# Altium PCB Copy of Delay.PcbDoc (part 1 of 2) (continued)
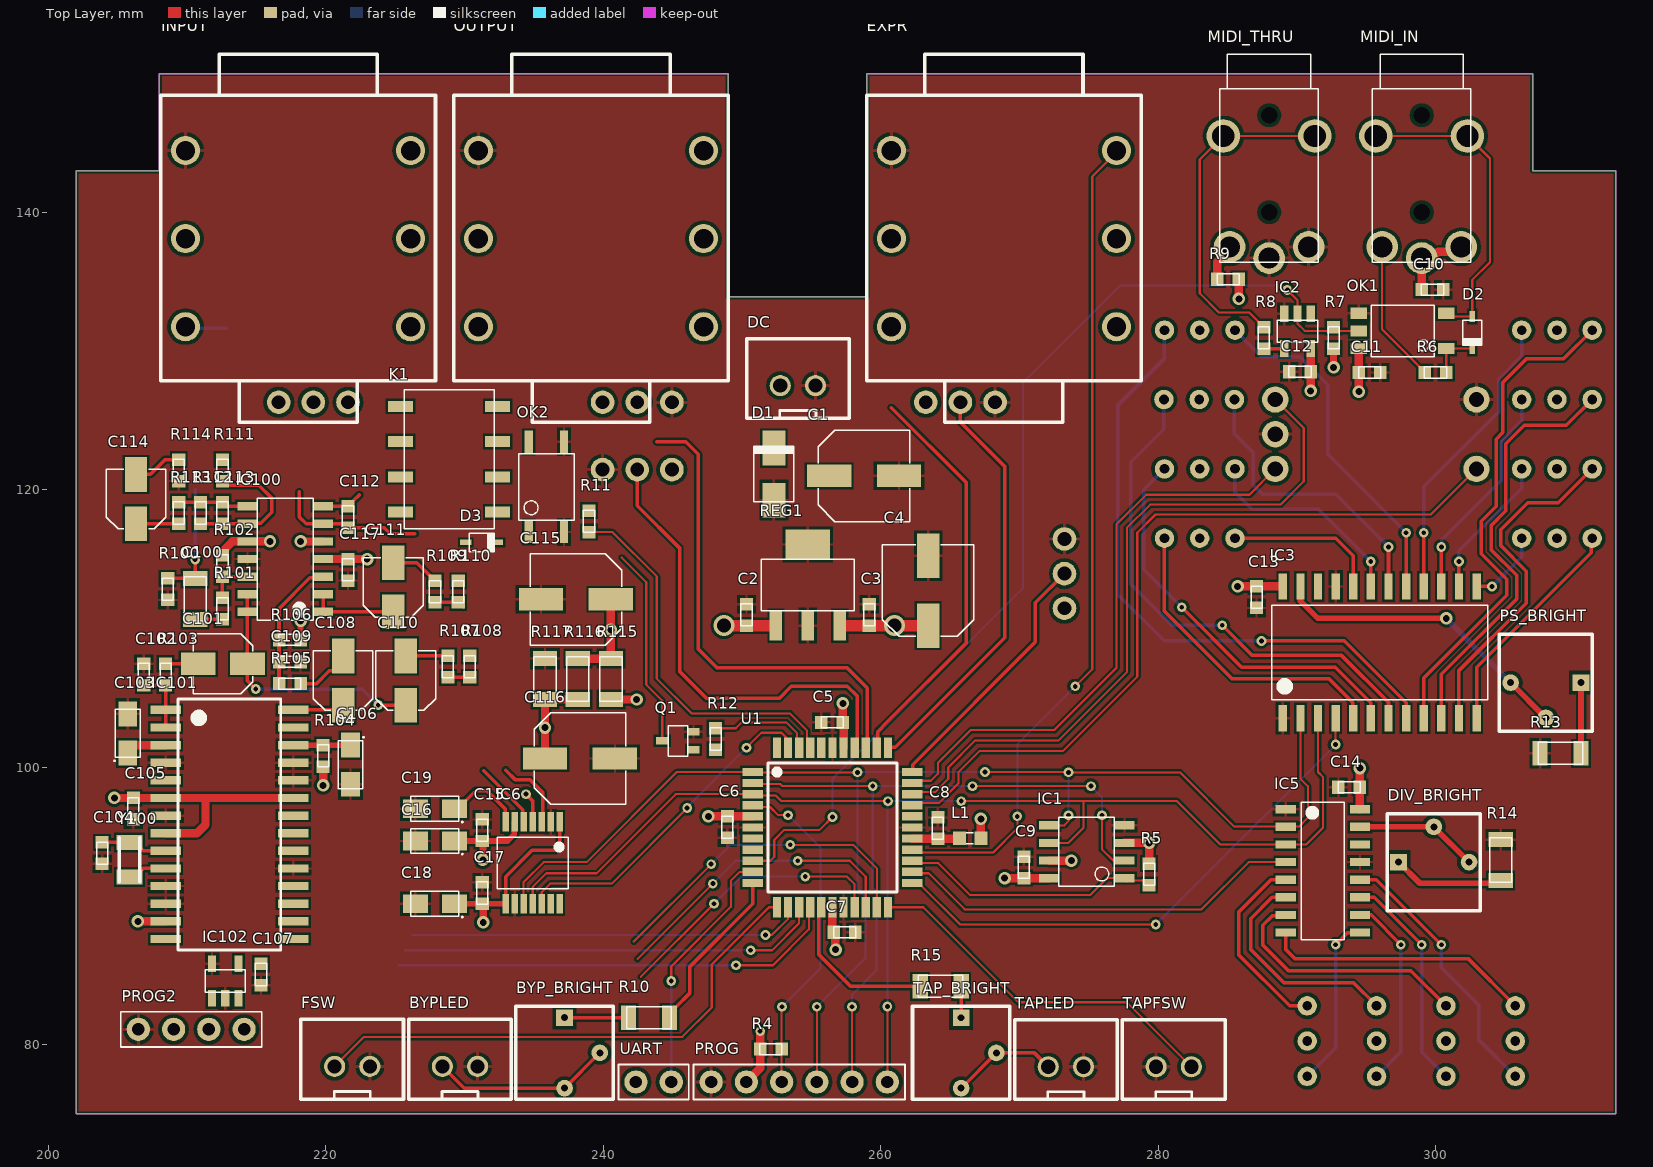
[diagram p0: Top Layer view]
## Part data (continued)
C19: library part T491A105K016AT, "CAP TANT 1UF 16V", Capacitance=1uF, Case Code (Imperial)=1206, Case Code (Metric)=3216, Dielectric Material=Tantalum, ESR (Equivalent Series Resistance)=10R, Leakage Current=500nA, Manufacturer=KEMET, Max Operating Temperature=125°C, Min Operating Temperature=-55°C, Package Quantity=1, Ripple Current=87mA, Supplier Part Number 1=1457406, Tolerance=20%, Voltage=16V, Case/Package=1206, Category="Tantalum Capacitors", ComponentLink1Description=https://datasheet.ciiva.com/7696/1732736-7696289.pdf?src-supplier=Element14, ComponentLink1URL=https://datasheet.ciiva.com/7696/1732736-7696289.pdf?src-supplier=Element14, ComponentLink2Description=https://datasheet.ciiva.com/20171/458280-da-en-01-20171909.pdf?src-supplier=Rapid+Electronics, ComponentLink2URL=https://datasheet.ciiva.com/20171/458280-da-en-01-20171909.pdf?src-supplier=Rapid+Electronics, ComponentLink3Description=https://datasheet.ciiva.com/34302/1573169-34302502.pdf?src-supplier=Jameco, ComponentLink3URL=https://datasheet.ciiva.com/34302/1573169-34302502.pdf?src-supplier=Jameco, ComponentLink4Description=https://datasheet.ciiva.com/11793/0900766b80718482-11793119.pdf?src-supplier=RSComponents, ComponentLink4URL=https://datasheet.ciiva.com/11793/0900766b80718482-11793119.pdf?src-supplier=RSComponents, ComponentLink5Description=https://datasheet.ciiva.com/5934/kem-t2005-t491-5934792.pdf?src-supplier=Farnell, ComponentLink5URL=https://datasheet.ciiva.com/5934/kem-t2005-t491-5934792.pdf?src-supplier=Farnell, ComponentLink6Description=https://datasheet.ciiva.com/12882/kem-t2005-t491-12882490.pdf?src-supplier=Mouser, ComponentLink6URL=https://datasheet.ciiva.com/12882/kem-t2005-t491-12882490.pdf?src-supplier=Mouser, ComponentLink7Description=https://datasheet.ciiva.com/32431/t491a105k016zt-eng-tds-32431595.pdf?src-supplier=Distrelec, ComponentLink7URL=https://datasheet.ciiva.com/32431/t491a105k016zt-eng-tds-32431595.pdf?src-supplier=Distrelec, ComponentLink8Description=https://datasheet.ciiva.com/257/kem-t2005-t491-257404.pdf?src-supplier=Digi-Key, ComponentLink8URL=https://datasheet.ciiva.com/257/kem-t2005-t491-257404.pdf?src-supplier=Digi-Key, ComponentLink9Description=https://datasheet.ciiva.com/257/kem-t2005-t491-257405.pdf?src-supplier=Digi-Key, ComponentLink9URL=https://datasheet.ciiva.com/257/kem-t2005-t491-257405.pdf?src-supplier=Digi-Key, ComponentLink10Description=https://datasheet.ciiva.com/7696/kem-t2005-t491-7696429.pdf?src-supplier=Element14, ComponentLink10URL=https://datasheet.ciiva.com/7696/kem-t2005-t491-7696429.pdf?src-supplier=Element14, ComponentLink11Description=https://datasheet.ciiva.com/257/kem-t2005-t491-257406.pdf?src-supplier=Digi-Key, ComponentLink11URL=https://datasheet.ciiva.com/257/kem-t2005-t491-257406.pdf?src-supplier=Digi-Key, ComponentLink12Description=https://datasheet.ciiva.com/14595/70095774-14595055.pdf?src-supplier=Allied+Electronics, ComponentLink12URL=https://datasheet.ciiva.com/14595/70095774-14595055.pdf?src-supplier=Allied+Electronics, Depth=1.6mm, Dissipation Factor=4%, Features="General Purpose", Height=1.6mm, Height - Seated (Max)=0.071inch, Lead Free="Lead Free", Length=3.2mm, Life (Hours)=2000Hour, Manufacturer Part Number=T491A105K016AT, Mount="Surface Mount,PCB", Number of Pins=2, Packaging="Tape and Reel", Polarity=Polar, Pricing="5=0.25600, 50=0.14500, 250=0.11900, 500=0.10600, 1000=0.09590 (EUR)", REACH SVHC="No SVHC", RoHS=Yes, Stock=40067, Supplier 1=Farnell, Termination=SMD/SMT, Voltage Rating=16V, Voltage Rating (DC)=16V, Width=1.6mm
C100: library part GRM31C5C1H104JA01L, "CAP CER 100NF 50V C0G/NP0 1206", Capacitance=100nF, Case Code (Imperial)=1206, Case Code (Metric)=3216, Dielectric=C0G, Manufacturer=Murata, Max Operating Temperature=125°C, Min Operating Temperature=-55°C, Package Quantity=1, Supplier Part Number 1=2494294, Temperature Coefficient=30ppm/°C, Tolerance=5%, Voltage=50V, Case/Package=1206, ComponentLink1Description=https://datasheet.ciiva.com/11618/product-11618880.pdf?src-supplier=Avnet, ComponentLink1URL=https://datasheet.ciiva.com/11618/product-11618880.pdf?src-supplier=Avnet, ComponentLink2Description=https://datasheet.ciiva.com/29200/453430-da-01-en-vs-kondensator-1206-29200201.pdf?src-supplier=Conrad, ComponentLink2URL=https://datasheet.ciiva.com/29200/453430-da-01-en-vs-kondensator-1206-29200201.pdf?src-supplier=Conrad, ComponentLink3Description=https://datasheet.ciiva.com/5420/product-5420070.pdf?src-supplier=Mouser, ComponentLink3URL=https://datasheet.ciiva.com/5420/product-5420070.pdf?src-supplier=Mouser, ComponentLink4Description=https://datasheet.ciiva.com/16461/product-16461275.pdf?src-supplier=Future+Electronics, ComponentLink4URL=https://datasheet.ciiva.com/16461/product-16461275.pdf?src-supplier=Future+Electronics, ComponentLink5Description=https://datasheet.ciiva.com/6270/partnumbering-e-01-6270255.pdf?src-supplier=Digi-Key, ComponentLink5URL=https://datasheet.ciiva.com/6270/partnumbering-e-01-6270255.pdf?src-supplier=Digi-Key, Depth=1.6mm, Height=1.6mm, Lead Free="Lead Free", Length=3.2mm, Manufacturer Part Number=GRM31C5C1H104JA01L, Material=Ceramic, Mount="Surface Mount", Packaging="Tape and Reel", Price=0.31, Pricing 1="5 = 0.62500, 50 = 0.31000, 250 = 0.29700, 500 = 0.22200, 1000 = 0.18900 (EUR)", Radiation Hardening=No, REACH SVHC="No SVHC", RoHS=Yes, Stock 1=206865, Supplier 1=Farnell, Termination=SMD/SMT, Thickness=0.071inch, Voltage Rating=50V, Voltage Rating (DC)=50V, Weight=0.000571oz, Width=0.063inch
C101 C108 C110 C111 C114: library part EEEFC1H1R0R, "CAP ALUM 1UF 50V LESR SMD", Capacitance=1uF, Case/Package=Radial, Dielectric Material=Aluminium, ESR (Equivalent Series Resistance)=5R, Leakage Current=3uA, Manufacturer=Panasonic, Max Operating Temperature=105°C, Min Operating Temperature=-40°C, Package Quantity=2000, Ripple Current=30mA, Supplier Part Number 1=9694528, Tolerance=20%, Voltage=50V, ComponentLink1Description=https://datasheet.ciiva.com/11779/0900766b806bc525-11779769.pdf?src-supplier=RSComponents, ComponentLink1URL=https://datasheet.ciiva.com/11779/0900766b806bc525-11779769.pdf?src-supplier=RSComponents, ComponentLink2Description=https://datasheet.ciiva.com/29313/443524-da-01-en-smd-elko-vfc-b-1-0-uf-50v-29313787.pdf?src-supplier=Conrad, ComponentLink2URL=https://datasheet.ciiva.com/29313/443524-da-01-en-smd-elko-vfc-b-1-0-uf-50v-29313787.pdf?src-supplier=Conrad, ComponentLink3Description=https://datasheet.ciiva.com/10331/aba0000ce5-10331045.pdf?src-supplier=Avnet, ComponentLink3URL=https://datasheet.ciiva.com/10331/aba0000ce5-10331045.pdf?src-supplier=Avnet, ComponentLink4Description=https://datasheet.ciiva.com/43485/31718-43485413.pdf?src-supplier=Farnell, ComponentLink4URL=https://datasheet.ciiva.com/43485/31718-43485413.pdf?src-supplier=Farnell, ComponentLink5Description=https://datasheet.ciiva.com/17353/aba0000ce5-17353382.pdf?src-supplier=Avnet+Europe, ComponentLink5URL=https://datasheet.ciiva.com/17353/aba0000ce5-17353382.pdf?src-supplier=Avnet+Europe, ComponentLink6Description=https://datasheet.ciiva.com/24024/aba0000ce5-68492-24024840.pdf?src-supplier=Mouser, ComponentLink6URL=https://datasheet.ciiva.com/24024/aba0000ce5-68492-24024840.pdf?src-supplier=Mouser, ComponentLink7Description=https://datasheet.ciiva.com/48542/eeefc-series-eng-tds-48542747.pdf?src-supplier=Distrelec, ComponentLink7URL=https://datasheet.ciiva.com/48542/eeefc-series-eng-tds-48542747.pdf?src-supplier=Distrelec, ComponentLink8Description=https://datasheet.ciiva.com/30181/aba0000ce5-30181516.pdf?src-supplier=Onlinecomponents.com, ComponentLink8URL=https://datasheet.ciiva.com/30181/aba0000ce5-30181516.pdf?src-supplier=Onlinecomponents.com, ComponentLink9Description=https://datasheet.ciiva.com/14596/70068018-14596941.pdf?src-supplier=Allied+Electronics, ComponentLink9URL=https://datasheet.ciiva.com/14596/70068018-14596941.pdf?src-supplier=Allied+Electronics, ComponentLink10Description=https://datasheet.ciiva.com/46388/31718-46388238.pdf?src-supplier=Element14, ComponentLink10URL=https://datasheet.ciiva.com/46388/31718-46388238.pdf?src-supplier=Element14, ComponentLink11Description=https://datasheet.ciiva.com/14606/70256381-14606527.pdf?src-supplier=Allied+Electronics, ComponentLink11URL=https://datasheet.ciiva.com/14606/70256381-14606527.pdf?src-supplier=Allied+Electronics, Contact Plating=Tin, Diameter=4mm, Height=5.4mm, Height - Seated (Max)=0.213inch, Impedance=5R, Lead Free="Lead Free", Lead Length=1.8mm, Lead Pitch=1mm, Length=5.5mm, Life (Hours)=1000Hour, Manufacturer Part Number=EEEFC1H1R0R, Material=Aluminium, Mount="Surface Mount", Number of Pins=2, Packaging="Tape and Reel", Price=0.151, Pricing 1="5 = 0.29200, 50 = 0.15100, 250 = 0.12600, 500 = 0.09460, 1000 = 0.07990 (EUR)", Radiation Hardening=No, REACH SVHC="No SVHC", Ripple Current (AC)=30mA, RoHS=Yes, Stock 1=3801, Supplier 1=Farnell, Termination=SMD/SMT, Voltage Rating=50V, Voltage Rating (DC)=50V, Width=4.3mm
C102 C109: library part GRM1885C1H222JA01D, "CAP CER 2.2NF 50V C0G/NP0 0603", Capacitance=2.2nF, Case Code (Imperial)=0603, Case Code (Metric)=1608, Dielectric=C0G, Dielectric Material=Ceramic, Insulation Resistance=10GR, Manufacturer=Murata, Max Operating Temperature=125°C, Min Operating Temperature=-55°C, Package Quantity=1, Supplier Part Number 1=8819947, Temperature Coefficient=30ppm/°C, Tolerance=5%, Voltage=50V, Case/Package=0603, ComponentLink1Description=https://datasheet.ciiva.com/11786/0900766b807a1cab-11786840.pdf?src-supplier=RSComponents, ComponentLink1URL=https://datasheet.ciiva.com/11786/0900766b807a1cab-11786840.pdf?src-supplier=RSComponents, ComponentLink2Description=https://datasheet.ciiva.com/3777/1632grm1885c1h222ja0123-3777835.pdf?src-supplier=Arrow, ComponentLink2URL=https://datasheet.ciiva.com/3777/1632grm1885c1h222ja0123-3777835.pdf?src-supplier=Arrow, ComponentLink3Description=https://datasheet.ciiva.com/2989/product-2989459.pdf?src-supplier=Avnet, ComponentLink3URL=https://datasheet.ciiva.com/2989/product-2989459.pdf?src-supplier=Avnet, ComponentLink4Description=https://datasheet.ciiva.com/6031/4360-6031797.pdf?src-supplier=Farnell, ComponentLink4URL=https://datasheet.ciiva.com/6031/4360-6031797.pdf?src-supplier=Farnell, ComponentLink5Description=https://datasheet.ciiva.com/7828/4360-7828918.pdf?src-supplier=Element14, ComponentLink5URL=https://datasheet.ciiva.com/7828/4360-7828918.pdf?src-supplier=Element14, ComponentLink6Description=https://datasheet.ciiva.com/11463/product-11463974.pdf?src-supplier=Avnet, ComponentLink6URL=https://datasheet.ciiva.com/11463/product-11463974.pdf?src-supplier=Avnet, ComponentLink7Description=https://datasheet.ciiva.com/16624/product-16624150.pdf?src-supplier=Avnet+Europe, ComponentLink7URL=https://datasheet.ciiva.com/16624/product-16624150.pdf?src-supplier=Avnet+Europe, ComponentLink8Description=https://datasheet.ciiva.com/7828/1747455-7828919.pdf?src-supplier=Element14, ComponentLink8URL=https://datasheet.ciiva.com/7828/1747455-7828919.pdf?src-supplier=Element14, ComponentLink9Description=https://datasheet.ciiva.com/133/partnumbering-e-01-133576.pdf?src-supplier=Digi-Key, ComponentLink9URL=https://datasheet.ciiva.com/133/partnumbering-e-01-133576.pdf?src-supplier=Digi-Key, ComponentLink10Description=https://datasheet.ciiva.com/7828/1747455-7828920.pdf?src-supplier=Element14, ComponentLink10URL=https://datasheet.ciiva.com/7828/1747455-7828920.pdf?src-supplier=Element14, ComponentLink11Description=https://datasheet.ciiva.com/133/partnumbering-e-01-133577.pdf?src-supplier=Digi-Key, ComponentLink11URL=https://datasheet.ciiva.com/133/partnumbering-e-01-133577.pdf?src-supplier=Digi-Key, ComponentLink12Description=https://datasheet.ciiva.com/133/partnumbering-e-01-133578.pdf?src-supplier=Digi-Key, ComponentLink12URL=https://datasheet.ciiva.com/133/partnumbering-e-01-133578.pdf?src-supplier=Digi-Key, ComponentLink13Description=https://datasheet.ciiva.com/29241/450664-da-01-en-vs-kondensator-0603-29241770.pdf?src-supplier=Conrad, ComponentLink13URL=https://datasheet.ciiva.com/29241/450664-da-01-en-vs-kondensator-0603-29241770.pdf?src-supplier=Conrad, Depth=0.8mm, Height=0.8mm, Lead Free="Lead Free", Length=1.6mm, Manufacturer Part Number=GRM1885C1H222JA01D, Material=Ceramic, Mount="Surface Mount", Number of Pins=2, Packaging="Tape and Reel", Price=0.0217, Pricing 1="10 = 0.11000, 100 = 0.05180, 500 = 0.04100, 1000 = 0.03510, 2000 = 0.03080 (EUR)", Radiation Hardening=No, REACH SVHC="No SVHC", RoHS=Yes, Stock 1=81117, Supplier 1=Farnell, Termination=SMD/SMT, Thickness=0.035inch, Voltage Rating=50V, Voltage Rating (DC)=50V, Width=0.8mm
C104: library part MC0603N150J500CT, "CAP CER 15PF 50V C0G/NP0 0603", Capacitance=15pF, Case Code (Imperial)=0603, Case Code (Metric)=1608, Dielectric=C0G, Manufacturer=Multicomp, Max Operating Temperature=125°C, Min Operating Temperature=-55°C, Supplier Part Number 1=1759055, Temperature Coefficient=30ppm/°C, Tolerance=5%, Voltage Rating=50V, Case/Package=0603, Category="Ceramic Capacitors", ComponentLink1Description=https://datasheet.ciiva.com/22675/1901289-22675815.pdf?src-supplier=Element14, ComponentLink1URL=https://datasheet.ciiva.com/22675/1901289-22675815.pdf?src-supplier=Element14, ComponentLink2Description=https://datasheet.ciiva.com/22675/1901289-22675816.pdf?src-supplier=Element14, ComponentLink2URL=https://datasheet.ciiva.com/22675/1901289-22675816.pdf?src-supplier=Element14, ComponentLink3Description=https://datasheet.ciiva.com/22648/1901289-22648477.pdf?src-supplier=Element14, ComponentLink3URL=https://datasheet.ciiva.com/22648/1901289-22648477.pdf?src-supplier=Element14, Manufacturer Part Number=MC0603N150J500CT, Number of Pins=2, Packaging="Tape and Reel", Pricing="10=0.04660, 100=0.03490, 500=0.02000, 1000=0.01400, 2000=0.01240 (EUR)", REACH SVHC=Unknown, RoHS=Yes, Stock=62089, Supplier 1=Farnell, Voltage Rating (DC)=50V, Width=0.8mm
C112: library part MC0603N221J500CT, "CAP CER 220PF 50V C0G/NP0 0603", Capacitance=220pF, Case Code (Imperial)=0603, Case Code (Metric)=1608, Dielectric=C0G, Manufacturer=Multicomp, Max Operating Temperature=125°C, Min Operating Temperature=-55°C, Supplier Part Number 1=1759071, Tolerance=5%, Voltage Rating=50V, Case/Package=0603, ComponentLink1Description=https://datasheet.ciiva.com/22648/1901289-22648489.pdf?src-supplier=Element14, ComponentLink1URL=https://datasheet.ciiva.com/22648/1901289-22648489.pdf?src-supplier=Element14, ComponentLink2Description=https://datasheet.ciiva.com/22675/1901289-22675354.pdf?src-supplier=Element14, ComponentLink2URL=https://datasheet.ciiva.com/22675/1901289-22675354.pdf?src-supplier=Element14, ComponentLink3Description=https://datasheet.ciiva.com/22675/1901289-22675355.pdf?src-supplier=Element14, ComponentLink3URL=https://datasheet.ciiva.com/22675/1901289-22675355.pdf?src-supplier=Element14, Manufacturer Part Number=MC0603N221J500CT, Number of Pins=2, Packaging="Cut Tape", Price=0.0192, Pricing="10=0.027, 100=0.0219, 500=0.0135, 1000=0.0107, 2000=0.0098 (EUR)", REACH SVHC=Unknown, RoHS=Yes, Stock=17812, Supplier 1=Farnell, Voltage Rating (DC)=50V
C113: library part MC0603N471J500CT, "CAP CER 470PF 50V C0G/NP0 0603", Capacitance=470pF, Case Code (Imperial)=0603, Case Code (Metric)=1608, Dielectric=C0G, Manufacturer=Multicomp, Max Operating Temperature=125°C, Min Operating Temperature=-55°C, Supplier Part Number 1=1759080, Temperature Coefficient=30ppm/°C, Tolerance=5%, Voltage Rating=50V, Case/Package=0603, ComponentLink1Description=https://datasheet.ciiva.com/22648/1901289-22648504.pdf?src-supplier=Element14, ComponentLink1URL=https://datasheet.ciiva.com/22648/1901289-22648504.pdf?src-supplier=Element14, ComponentLink2Description=https://datasheet.ciiva.com/22675/1901289-22675320.pdf?src-supplier=Element14, ComponentLink2URL=https://datasheet.ciiva.com/22675/1901289-22675320.pdf?src-supplier=Element14, ComponentLink3Description=https://datasheet.ciiva.com/22648/1901289-22648505.pdf?src-supplier=Element14, ComponentLink3URL=https://datasheet.ciiva.com/22648/1901289-22648505.pdf?src-supplier=Element14, Manufacturer Part Number=MC0603N471J500CT, Number of Pins=2, Packaging="Cut Tape", Price=0.035, Pricing="10=0.0522, 100=0.0354, 500=0.0206, 1000=0.0189, 2000=0.0171 (EUR)", REACH SVHC=Unknown, RoHS=Yes, Stock=33267, Supplier 1=Farnell, Voltage Rating (DC)=50V, Width=0.8mm
C116: library part MCVVT025M470EA1L, "CAP ALUM 47UF 25V SMD", Capacitance=47uF, Manufacturer=Multicomp, Max Operating Temperature=105°C, Min Operating Temperature=-55°C, Ripple Current (AC)=6.3mA, Supplier Part Number 1=2611377, Voltage Rating=25V, ComponentLink1Description=http://www.farnell.com/datasheets/2151198.pdf?src-supplier=Farnell, ComponentLink1URL=http://www.farnell.com/datasheets/2151198.pdf?src-supplier=Farnell, ComponentLink2Description=http://www.farnell.com/datasheets/2151198.pdf?src-supplier=Element14, ComponentLink2URL=http://www.farnell.com/datasheets/2151198.pdf?src-supplier=Element14, Diameter=6.3mm, Height=5.4mm, Life (Hours)=2000Hour, Manufacturer Part Number=MCVVT025M470EA1L, Packaging="Cut Tape", Price=0.0825, Pricing="1=0.125, 50=0.0825, 100=0.0741, 250=0.0637, 500=0.0542 (EUR)", REACH SVHC="No SVHC", RoHS=No, Stock=1436, Supplier 1=Farnell, Voltage Rating (DC)=25V
D0_4 D0_8 D1_5 D1_9 D2_6 D2_10 D3_7 D3_11 D4_12 D5_13 D6_14 D7_15: library part D_BICOLOR_LED, "BICOLOR LED"
D1: "DIODE GEN PURP 50V 1A SMA", Average Rectified Current=1A, Capacitance=12pF, Case/Package=SMA, Forward Voltage=1.1V, Manufacturer="ON Semiconductor / Fairchild", Max Forward Surge Current (Ifsm)=30A, Max Operating Temperature=150°C, Max Repetitive Reverse Voltage (Vrrm)=50V, Max Surge Current=40A, Min Operating Temperature=-55°C, Package Quantity=1, Peak Reverse Current=1uA, Power Dissipation=1.4W, Supplier Part Number 1=9843868, ComponentLink1Description=https://datasheet.ciiva.com/910/s1a-910480.pdf?src-supplier=Avnet, ComponentLink1URL=https://datasheet.ciiva.com/910/s1a-910480.pdf?src-supplier=Avnet, ComponentLink2Description=https://datasheet.ciiva.com/23683/1730038-23683616.pdf?src-supplier=Newark, ComponentLink2URL=https://datasheet.ciiva.com/23683/1730038-23683616.pdf?src-supplier=Newark, ComponentLink3Description=https://datasheet.ciiva.com/4452/s1a-191336-4452662.pdf?src-supplier=Mouser, ComponentLink3URL=https://datasheet.ciiva.com/4452/s1a-191336-4452662.pdf?src-supplier=Mouser, ComponentLink4Description=https://datasheet.ciiva.com/25624/0900766b80f9b629-25624903.pdf?src-supplier=RSComponents, ComponentLink4URL=https://datasheet.ciiva.com/25624/0900766b80f9b629-25624903.pdf?src-supplier=RSComponents, ComponentLink5Description=https://datasheet.ciiva.com/916/s1a-916898.pdf?src-supplier=Digi-Key, ComponentLink5URL=https://datasheet.ciiva.com/916/s1a-916898.pdf?src-supplier=Digi-Key, ComponentLink6Description=https://datasheet.ciiva.com/916/s1a-916899.pdf?src-supplier=Digi-Key, ComponentLink6URL=https://datasheet.ciiva.com/916/s1a-916899.pdf?src-supplier=Digi-Key, ComponentLink7Description=https://datasheet.ciiva.com/916/s1a-916900.pdf?src-supplier=Digi-Key, ComponentLink7URL=https://datasheet.ciiva.com/916/s1a-916900.pdf?src-supplier=Digi-Key, ComponentLink8Description=https://datasheet.ciiva.com/16800/s1a-16800103.pdf?src-supplier=Future+Electronics, ComponentLink8URL=https://datasheet.ciiva.com/16800/s1a-16800103.pdf?src-supplier=Future+Electronics, ComponentLink9Description=https://datasheet.ciiva.com/28469/1766308-28469031.pdf?src-supplier=Element14, ComponentLink9URL=https://datasheet.ciiva.com/28469/1766308-28469031.pdf?src-supplier=Element14, ComponentLink10Description=https://datasheet.ciiva.com/26231/s1k-26231832.pdf?src-supplier=Avnet+Europe, ComponentLink10URL=https://datasheet.ciiva.com/26231/s1k-26231832.pdf?src-supplier=Avnet+Europe, ComponentLink11Description=https://datasheet.ciiva.com/16474/s1k-16474283.pdf?src-supplier=Avnet+Asia, ComponentLink11URL=https://datasheet.ciiva.com/16474/s1k-16474283.pdf?src-supplier=Avnet+Asia, Contact Plating=Tin, Current Rating=1A, Element Configuration=Single, Forward Current=1A, Lead Free="Lead Free", Manufacturer Part Number=S1A, Max Reverse Voltage (DC)=50V, Mount="Surface Mount", Number of Pins=2, Output Current=1A, Packaging="Tape and Reel", Peak Non-Repetitive Surge Current=30A, Polarity=Standard, Price=0.072, Pricing="5=0.184, 25=0.179, 100=0.0727, 250=0.0669, 500=0.0667, 1000=0.0364, 5000=0.0293 (EUR)", Radiation Hardening=No, REACH SVHC="No SVHC", Recovery Time=1800ns, Reverse Recovery Time=1.8us, Reverse Voltage=50V, RoHS=Yes, Stock=34555, Supplier 1=Farnell, Voltage Rating (DC)=50V, Weight=0.106g, Width=5.28mm
D2 D3: "DIODE GEN PURP 75V 150MA SOD323F", Average Rectified Current=150mA, Forward Voltage=1V, Manufacturer="ON Semiconductor / Fairchild", Max Forward Surge Current (Ifsm)=2A, Max Operating Temperature=150°C, Max Repetitive Reverse Voltage (Vrrm)=75V, Min Operating Temperature=-55°C, Package Quantity=1, Peak Reverse Current=5uA, Power Dissipation=200mW, Supplier Part Number 1=2453269, ComponentLink1Description=https://datasheet.ciiva.com/25968/1n914bws-25968945.pdf?src-supplier=Avnet+Europe, ComponentLink1URL=https://datasheet.ciiva.com/25968/1n914bws-25968945.pdf?src-supplier=Avnet+Europe, ComponentLink2Description=https://datasheet.ciiva.com/30479/0900766b810e1cd3-30479206.pdf?src-supplier=RSComponents, ComponentLink2URL=https://datasheet.ciiva.com/30479/0900766b810e1cd3-30479206.pdf?src-supplier=RSComponents, ComponentLink3Description=https://datasheet.ciiva.com/15208/getdatasheetpartid-127819-15208358.pdf?src-supplier=Verical, ComponentLink3URL=https://datasheet.ciiva.com/15208/getdatasheetpartid-127819-15208358.pdf?src-supplier=Verical, ComponentLink4Description=https://datasheet.ciiva.com/8300/1n914bws-8300360.pdf?src-supplier=Avnet, ComponentLink4URL=https://datasheet.ciiva.com/8300/1n914bws-8300360.pdf?src-supplier=Avnet, ComponentLink5Description=https://datasheet.ciiva.com/910/1n4148ws-910380.pdf?src-supplier=Digi-Key, ComponentLink5URL=https://datasheet.ciiva.com/910/1n4148ws-910380.pdf?src-supplier=Digi-Key, ComponentLink6Description=https://datasheet.ciiva.com/910/1n4148ws-910381.pdf?src-supplier=Digi-Key, ComponentLink6URL=https://datasheet.ciiva.com/910/1n4148ws-910381.pdf?src-supplier=Digi-Key, ComponentLink7Description=https://datasheet.ciiva.com/910/1n4148ws-910382.pdf?src-supplier=Digi-Key, ComponentLink7URL=https://datasheet.ciiva.com/910/1n4148ws-910382.pdf?src-supplier=Digi-Key, Contact Plating=Tin, Element Configuration=Single, Forward Current=150mA, Height=1mm, Lead Free="Lead Free", Length=1.8mm, Manufacturer Part Number=1N4148WS, Max Reverse Voltage (DC)=75V, Mount="Surface Mount", Number of Pins=2, Packaging="Tape and Reel", Price=0.0521, Pricing="5=0.155, 25=0.151, 100=0.0529, 250=0.0498, 500=0.0477, 1000=0.0243, 5000=0.0193 (EUR)", Radiation Hardening=No, REACH SVHC="No SVHC", Recovery Time=4ns, Reverse Recovery Time=4ns, Reverse Voltage=75V, RoHS=Yes, Stock=379338, Supplier 1=Farnell, Weight=0.0276g, Width=1.35mm
DC: "2 Pins male XH header", Price=0.1
EXPR INPUT OUTPUT: "6.35mm stereo insulated socket jack PCB mounted", Price=0.5
IC1: library part M95256-WMN6P, "IC EEPROM 256K SPI 20MHZ 8SO", Case/Package=SOIC, Frequency=5MHz, Manufacturer=STMicroelectronics, Max Operating Temperature=85°C, Max Supply Voltage=5.5V, Min Operating Temperature=-40°C, Min Supply Voltage=2.5V, Nominal Supply Current=5mA, Package Quantity=100, Supplier Part Number 1=1099712, Access Time=60ns, Category=EEPROM, ComponentLink1Description=https://datasheet.ciiva.com/4859/cd00103810-224498-4859620.pdf?src-supplier=Mouser, ComponentLink1URL=https://datasheet.ciiva.com/4859/cd00103810-224498-4859620.pdf?src-supplier=Mouser, ComponentLink2Description=https://datasheet.ciiva.com/15123/getdatasheetpartid-42741-15123093.pdf?src-supplier=Verical, ComponentLink2URL=https://datasheet.ciiva.com/15123/getdatasheetpartid-42741-15123093.pdf?src-supplier=Verical, ComponentLink3Description=https://datasheet.ciiva.com/14163/m95256-w-eng-tds-14163003.pdf?src-supplier=Distrelec, ComponentLink3URL=https://datasheet.ciiva.com/14163/m95256-w-eng-tds-14163003.pdf?src-supplier=Distrelec, ComponentLink4Description=https://datasheet.ciiva.com/1905/cd00103810-1905381.pdf?src-supplier=Digi-Key, ComponentLink4URL=https://datasheet.ciiva.com/1905/cd00103810-1905381.pdf?src-supplier=Digi-Key, ComponentLink5Description=https://datasheet.ciiva.com/8055/1723939-8055206.pdf?src-supplier=Element14, ComponentLink5URL=https://datasheet.ciiva.com/8055/1723939-8055206.pdf?src-supplier=Element14, ComponentLink6Description=https://datasheet.ciiva.com/16622/cd00103810-16622983.pdf?src-supplier=Avnet+Europe, ComponentLink6URL=https://datasheet.ciiva.com/16622/cd00103810-16622983.pdf?src-supplier=Avnet+Europe, ComponentLink7Description=https://datasheet.ciiva.com/41455/001185592-da-01-en-ic-eepr-256kbit-m95256-wmn6p-soic-8-stm-41455210.pdf?src-supplier=Conrad, ComponentLink7URL=https://datasheet.ciiva.com/41455/001185592-da-01-en-ic-eepr-256kbit-m95256-wmn6p-soic-8-stm-41455210.pdf?src-supplier=Conrad, Contact Plating=Gold, Density=256Kb, Height=1.5mm, Interface=SPI,Serial, Lead Free="Lead Free", Length=5mm, Manufacturer Part Number=M95256-WMN6P, Max Frequency=5MHz, Memory Size=256Kb, Memory Type=EEPROM, Mount="Surface Mount", Number of Pins=8, Packaging=Rail/Tube, Pricing="1=0.63300, 50=0.55300, 100=0.49000, 250=0.48700, 500=0.48300, 1000=0.46600, 2500=0.38800, 5000=0.37200 (EUR)", Radiation Hardening=No, REACH SVHC="No SVHC", RoHS=Yes, Stock=4109, Supplier 1=Farnell, Width=4mm
IC2: library part SN74LVC1G17QDBVRQ1, "Schmitt Trigger Buffer 1-CH Non-Inverting CMOS Automotive 5-Pin SOT-23 T/R", Case/Package=SOT-23-5, High Level Output Current=-32mA, Low Level Output Current=32mA, Manufacturer="Texas Instruments", Max Operating Temperature=125°C, Max Supply Voltage=5.5V, Min Operating Temperature=-40°C, Min Supply Voltage=1.65V, Package Quantity=3000, Quiescent Current=20uA, Supplier Part Number 1=2463773, Category="Logic Gates", ComponentLink1Description=https://datasheet.ciiva.com/26220/sn74lvc1g17-q1-26220672.pdf?src-supplier=Avnet+Europe, ComponentLink1URL=https://datasheet.ciiva.com/26220/sn74lvc1g17-q1-26220672.pdf?src-supplier=Avnet+Europe, ComponentLink2Description=https://datasheet.ciiva.com/6623/sn74lvc1g17-q1-6623803.pdf?src-supplier=Digi-Key, ComponentLink2URL=https://datasheet.ciiva.com/6623/sn74lvc1g17-q1-6623803.pdf?src-supplier=Digi-Key, ComponentLink3Description=https://datasheet.ciiva.com/6623/sn74lvc1g17-q1-6623805.pdf?src-supplier=Digi-Key, ComponentLink3URL=https://datasheet.ciiva.com/6623/sn74lvc1g17-q1-6623805.pdf?src-supplier=Digi-Key, ComponentLink4Description=https://datasheet.ciiva.com/14318/sces663a-14318069.pdf?src-supplier=Avnet, ComponentLink4URL=https://datasheet.ciiva.com/14318/sces663a-14318069.pdf?src-supplier=Avnet, ComponentLink5Description=https://datasheet.ciiva.com/46442/1840260-46442070.pdf?src-supplier=Element14, ComponentLink5URL=https://datasheet.ciiva.com/46442/1840260-46442070.pdf?src-supplier=Element14, ComponentLink6Description=https://datasheet.ciiva.com/6623/sn74lvc1g17-q1-6623804.pdf?src-supplier=Digi-Key, ComponentLink6URL=https://datasheet.ciiva.com/6623/sn74lvc1g17-q1-6623804.pdf?src-supplier=Digi-Key, Lead Free="Lead Free", Logic Function="Schmitt Trigger,Buffer", Manufacturer Part Number=SN74LVC1G17QDBVRQ1, Mount="Surface Mount", Number of Bits=1, Number of Bits per Element=1, Number of Channels=1, Number of Elements=1, Number of Input Lines=1, Number of Inputs=1, Number of Output Lines=1, Number of Outputs=1, Number of Pins=5, Packaging="Tape and Reel", Polarity=Non-Inverting, Pricing="5=0.23100, 50=0.17800, 100=0.12400, 250=0.10900, 500=0.09450, 1000=0.07980, 5000=0.07410 (EUR)", Propagation Delay=8ns, Radiation Hardening=No, REACH SVHC="No SVHC", RoHS=Yes, Stock=8770, Supplier 1=Farnell, Turn-On Delay Time=14ns
IC3: library part STP16CPC26MTR, "IC LED DRIVER LIN DIM 90MA 24SO", Case/Package=SOIC, Frequency=30MHz, Manufacturer=STMicroelectronics, Max Input Voltage=5.5V, Max Operating Temperature=125°C, Max Supply Current=15.3mA, Min Input Voltage=3V, Min Operating Temperature=-40°C, Output Current=90mA, Output Voltage=20V, Package Quantity=1, Supplier Part Number 1=2460710, Category="LED Drivers", ComponentLink1Description=https://datasheet.ciiva.com/41458/001184648-da-01-en-ic-led-sink-dv-stp16cpc26mtr-soic-24-stm-41458200.pdf?src-supplier=Conrad, ComponentLink1URL=https://datasheet.ciiva.com/41458/001184648-da-01-en-ic-led-sink-dv-stp16cpc26mtr-soic-24-stm-41458200.pdf?src-supplier=Conrad, ComponentLink2Description=https://datasheet.ciiva.com/1947/cd00298756-1947651.pdf?src-supplier=Digi-Key, ComponentLink2URL=https://datasheet.ciiva.com/1947/cd00298756-1947651.pdf?src-supplier=Digi-Key, ComponentLink3Description=https://datasheet.ciiva.com/1947/cd00298756-1947652.pdf?src-supplier=Digi-Key, ComponentLink3URL=https://datasheet.ciiva.com/1947/cd00298756-1947652.pdf?src-supplier=Digi-Key, ComponentLink4Description=https://datasheet.ciiva.com/1947/cd00298756-1947653.pdf?src-supplier=Digi-Key, ComponentLink4URL=https://datasheet.ciiva.com/1947/cd00298756-1947653.pdf?src-supplier=Digi-Key, ComponentLink5Description=https://datasheet.ciiva.com/16491/cd00298756-16491784.pdf?src-supplier=Future+Electronics, ComponentLink5URL=https://datasheet.ciiva.com/16491/cd00298756-16491784.pdf?src-supplier=Future+Electronics, ComponentLink6Description=https://datasheet.ciiva.com/3165/cd00298756-3165289.pdf?src-supplier=Avnet, ComponentLink6URL=https://datasheet.ciiva.com/3165/cd00298756-3165289.pdf?src-supplier=Avnet, ComponentLink7Description=https://datasheet.ciiva.com/17015/cd00298756-17015228.pdf?src-supplier=Avnet+Europe, ComponentLink7URL=https://datasheet.ciiva.com/17015/cd00298756-17015228.pdf?src-supplier=Avnet+Europe, Lead Free="Lead Free", Manufacturer Part Number=STP16CPC26MTR, Max Supply Voltage=5.5V, Min Supply Voltage=3V, Mount="Surface Mount", Number of Outputs=16, Number of Pins=24, Output Current per Channel=90mA, Packaging="Tape and Reel", Pricing="1=1.00000, 25=0.87800, 50=0.77600, 100=0.67400, 250=0.63500, 500=0.59600, 1000=0.50900, 2500=0.42200 (EUR)", Radiation Hardening=No, REACH SVHC="No SVHC", RoHS=Yes, Stock=1485, Supplier 1=Farnell, Switching Frequency=30MHz
IC5: library part STP08CP05MTR, "IC SHIFT REGISTER 8BIT 16SOIC", Case/Package=SO, Manufacturer=STMicroelectronics, Max Input Voltage=5.5V, Max Operating Temperature=125°C, Min Input Voltage=3V, Min Operating Temperature=-40°C, Nominal Supply Current=13.5mA, Output Current=100mA, Output Voltage=20V, Package Quantity=1, Supplier Part Number 1=2460704, Switching Frequency=30MHz, Category="Shift Registers", ComponentLink1Description=https://datasheet.ciiva.com/26807/getdatasheetpartid-50603-26807446.pdf?src-supplier=Verical, ComponentLink1URL=https://datasheet.ciiva.com/26807/getdatasheetpartid-50603-26807446.pdf?src-supplier=Verical, ComponentLink2Description=https://datasheet.ciiva.com/41455/001185564-da-01-en-ic-shift-regist-stp08cp05mtr-soic-16-stm-41455644.pdf?src-supplier=Conrad, ComponentLink2URL=https://datasheet.ciiva.com/41455/001185564-da-01-en-ic-shift-regist-stp08cp05mtr-soic-16-stm-41455644.pdf?src-supplier=Conrad, ComponentLink3Description=https://datasheet.ciiva.com/16491/cd00160230-16491197.pdf?src-supplier=Future+Electronics, ComponentLink3URL=https://datasheet.ciiva.com/16491/cd00160230-16491197.pdf?src-supplier=Future+Electronics, Contact Plating=Gold, Lead Free="Lead Free", Logic Function="Shift Register", Manufacturer Part Number=STP08CP05MTR, Max Supply Voltage=5.5V, Min Supply Voltage=3V, Mount="Surface Mount", Number of Bits per Element=8, Number of Circuits=1, Number of Elements=1, Number of Input Lines=1, Number of Output Lines=9, Number of Outputs=8, Number of Pins=16, Output Current per Channel=100mA, Packaging="Tape and Reel", Pricing="1=0.78800, 50=0.68900, 100=0.44400, 250=0.41500, 500=0.38500, 1000=0.35600, 2500=0.30100, 5000=0.28900 (EUR)", Propagation Delay=28ns, Radiation Hardening=No, REACH SVHC="No SVHC", RoHS=Yes, Stock=5551, Supplier 1=Farnell
IC6: library part AD5293BRUZ-20, "Digital Potentiometer 20kOhm 1024POS Volatile 14-Pin TSSOP Tube", Case/Package=TSSOP, Dual Supply Voltage=15V, Manufacturer="Analog Devices", Max Dual Supply Voltage=16.5V, Max Operating Temperature=105°C, Max Supply Current=100nA, Max Supply Voltage=33V, Min Dual Supply Voltage=9V, Min Operating Temperature=-40°C, Nominal Supply Current=200nA, Package Quantity=96, Resistance=20kR, Supplier Part Number 1=1827274, Temperature Coefficient=5ppm/°C, Tolerance=1%, -3db Bandwidth=520kHz, Category="Digital Potentiometers", ComponentLink1Description=https://datasheet.ciiva.com/25623/0900766b810ada80-25623724.pdf?src-supplier=RSComponents, ComponentLink1URL=https://datasheet.ciiva.com/25623/0900766b810ada80-25623724.pdf?src-supplier=RSComponents, ComponentLink2Description=https://datasheet.ciiva.com/1146/ad5293-1146560.pdf?src-supplier=Element14, ComponentLink2URL=https://datasheet.ciiva.com/1146/ad5293-1146560.pdf?src-supplier=Element14, ComponentLink3Description=https://datasheet.ciiva.com/26801/ad5293bruz-20-26801803.pdf?src-supplier=IIIC, ComponentLink3URL=https://datasheet.ciiva.com/26801/ad5293bruz-20-26801803.pdf?src-supplier=IIIC, ComponentLink4Description=https://datasheet.ciiva.com/1331/ad5293-1331078.pdf?src-supplier=Digi-Key, ComponentLink4URL=https://datasheet.ciiva.com/1331/ad5293-1331078.pdf?src-supplier=Digi-Key, ComponentLink5Description=https://datasheet.ciiva.com/3045/ad5293-3045960.pdf?src-supplier=Avnet, ComponentLink5URL=https://datasheet.ciiva.com/3045/ad5293-3045960.pdf?src-supplier=Avnet, ComponentLink6Description=https://datasheet.ciiva.com/1149/ad5293-1149307.pdf?src-supplier=Farnell, ComponentLink6URL=https://datasheet.ciiva.com/1149/ad5293-1149307.pdf?src-supplier=Farnell, ComponentLink7Description=https://datasheet.ciiva.com/16593/ad5293-16593547.pdf?src-supplier=Avnet+Europe, ComponentLink7URL=https://datasheet.ciiva.com/16593/ad5293-16593547.pdf?src-supplier=Avnet+Europe, ComponentLink8Description=https://datasheet.ciiva.com/15145/getdatasheetpartid-205736-15145773.pdf?src-supplier=Verical, ComponentLink8URL=https://datasheet.ciiva.com/15145/getdatasheetpartid-205736-15145773.pdf?src-supplier=Verical, ComponentLink9Description=https://datasheet.ciiva.com/1145/1314771-1145670.pdf?src-supplier=Element14, ComponentLink9URL=https://datasheet.ciiva.com/1145/1314771-1145670.pdf?src-supplier=Element14, ComponentLink10Description=https://datasheet.ciiva.com/48710/001246189-da-01-en-ic-dgtl-pot-1-ad5293bruz-20-tssop-14-adi-48710844.pdf?src-supplier=Conrad, ComponentLink10URL=https://datasheet.ciiva.com/48710/001246189-da-01-en-ic-dgtl-pot-1-ad5293bruz-20-tssop-14-adi-48710844.pdf?src-supplier=Conrad, Contact Plating=Tin,Matte, Height=1.2mm, Interface=SPI, Lead Free="Contains Lead", Length=5.1mm, Manufacturer Part Number=AD5293BRUZ-20, Memory Type=Volatile, Min Supply Voltage=9V, Mount="Surface Mount", Number of Circuits=1, Number of Elements=1, Number of Pins=14, Number of Positions=1024, Number of Taps=1024, Operating Supply Current=200nA, Operating Supply Voltage=15V, Packaging=Rail/Tube, Pricing="1=6.38000, 10=5.22000, 25=4.92000, 50=4.62000, 100=4.39000, 250=4.12000, 500=3.94000 (EUR)", Radiation Hardening=No, REACH SVHC="No SVHC", RoHS=Yes, Stock=195, Supplier 1=Farnell, Taper=Linear, Width=4.5mm
IC100: library part TL074IDT, "IC OPAMP JFET 3MHZ 14SO", Case/Package=SOIC, Dual Supply Voltage=9V, Input Bias Current=200pA, Input Offset Voltage (Vos)=3mV, Manufacturer=STMicroelectronics, Max Dual Supply Voltage=18V, Max Input Voltage=15V, Max Operating Temperature=105°C, Min Dual Supply Voltage=3V, Min Input Voltage=-12V, Min Operating Temperature=-40°C, Min Supply Voltage=6V, Nominal Supply Current=2.5mA, Operating Supply Current=1.4mA, Output Current=40mA, Package Quantity=2500, Power Dissipation=680mW, Supplier Part Number 1=1750154, Voltage Gain=106.02dB, Bandwidth=3MHz, Category="Amplifiers - Op Amps, Buffer, Instrumentation", Common Mode Rejection Ratio=80dB, ComponentLink1Description=https://datasheet.ciiva.com/26846/tl074idt-26846545.pdf?src-supplier=IIIC, ComponentLink1URL=https://datasheet.ciiva.com/26846/tl074idt-26846545.pdf?src-supplier=IIIC, ComponentLink2Description=https://datasheet.ciiva.com/1795/cd00000489-1795785.pdf?src-supplier=Digi-Key, ComponentLink2URL=https://datasheet.ciiva.com/1795/cd00000489-1795785.pdf?src-supplier=Digi-Key, ComponentLink3Description=https://datasheet.ciiva.com/1795/cd00000489-1795786.pdf?src-supplier=Digi-Key, ComponentLink3URL=https://datasheet.ciiva.com/1795/cd00000489-1795786.pdf?src-supplier=Digi-Key, ComponentLink4Description=https://datasheet.ciiva.com/1795/cd00000489-1795787.pdf?src-supplier=Digi-Key, ComponentLink4URL=https://datasheet.ciiva.com/1795/cd00000489-1795787.pdf?src-supplier=Digi-Key, Gain Bandwidth Product=3MHz, Height=1.65mm, Lead Free="Lead Free", Length=8.75mm, Manufacturer Part Number=TL074IDT, Max Supply Voltage=18V, Mount="Surface Mount", Number of Amplifiers=4, Number of Channels=4, Number of Circuits=4, Number of Elements=4, Number of Pins=14, Output Current per Channel=40mA, Packaging="Tape and Reel", Pricing="5=0.48500, 50=0.42800, 100=0.26100, 500=0.23200, 1000=0.20200 (EUR)", Radiation Hardening=No, REACH SVHC="No SVHC", RoHS=Yes, Slew Rate=13V/µs, Stock=18824, Supplier 1=Farnell, Unity Gain Bandwidth Product=3MHz, Width=4mm
IC101: "Spinsemi FV-1", Package=SOIC-28, Price=8
IC102: library part 24LC32AT-I/OT, "IC EEPROM 32KBIT 400KHZ SOT23-5", Case/Package=SOT-23, Frequency=400kHz, Manufacturer=Microchip, Max Operating Temperature=85°C, Max Supply Voltage=5.5V, Min Operating Temperature=-40°C, Min Supply Voltage=2.5V, Nominal Supply Current=3mA, Operating Supply Voltage=5V, Package Quantity=3000, Supplier Part Number 1=1700993, Access Time=900ns, Category=EEPROM, ComponentLink1Description=https://datasheet.ciiva.com/1155/1688094-1155269.pdf?src-supplier=Element14, ComponentLink1URL=https://datasheet.ciiva.com/1155/1688094-1155269.pdf?src-supplier=Element14, ComponentLink2Description=https://datasheet.ciiva.com/14134/24aa32a-24lc32a-eng-tds-14134837.pdf?src-supplier=Distrelec, ComponentLink2URL=https://datasheet.ciiva.com/14134/24aa32a-24lc32a-eng-tds-14134837.pdf?src-supplier=Distrelec, ComponentLink3Description=https://datasheet.ciiva.com/16221/filehandler-aspxddocname-en011853-16221753.pdf?src-supplier=Future+Electronics, ComponentLink3URL=https://datasheet.ciiva.com/16221/filehandler-aspxddocname-en011853-16221753.pdf?src-supplier=Future+Electronics, ComponentLink4Description=https://datasheet.ciiva.com/46410/1669362-46410953.pdf?src-supplier=Element14, ComponentLink4URL=https://datasheet.ciiva.com/46410/1669362-46410953.pdf?src-supplier=Element14, ComponentLink5Description=https://datasheet.ciiva.com/26910/getdatasheetpartid-757926-26910554.pdf?src-supplier=Verical, ComponentLink5URL=https://datasheet.ciiva.com/26910/getdatasheetpartid-757926-26910554.pdf?src-supplier=Verical, ComponentLink6Description=https://datasheet.ciiva.com/16621/21713l-16621534.pdf?src-supplier=Avnet+Europe, ComponentLink6URL=https://datasheet.ciiva.com/16621/21713l-16621534.pdf?src-supplier=Avnet+Europe, ComponentLink7Description=https://datasheet.ciiva.com/22715/1669362-22715182.pdf?src-supplier=Element14, ComponentLink7URL=https://datasheet.ciiva.com/22715/1669362-22715182.pdf?src-supplier=Element14, Contact Plating=Tin,Matte, Density=32Kb, Height=1.3mm, Interface=I2C,Serial, Lead Free="Lead Free", Length=3.1mm, Manufacturer Part Number=24LC32AT-I/OT, Max Frequency=400kHz, Memory Size=32Kb, Memory Type=EEPROM, Mount="Surface Mount", Number of Pins=5, Packaging="Tape and Reel", Pricing="1=0.29400, 10=0.29000, 25=0.28600, 50=0.27700, 100=0.26900 (EUR)", Radiation Hardening=No, REACH SVHC="No SVHC", RoHS=Yes, Stock=3287, Supplier 1=Farnell, Termination=SMD/SMT, Width=1.8mm
K1: library part G6K2F3DC, "OMRON ELECTRONIC COMPONENTS   G6K-2F 3DC   RELAY, SMD, DPCO, 3VDC", Coil Current=33mA, Coil Power=100mW, Coil Resistance=91R, Coil Voltage (DC)=3V, Contact Current Rating=1A, Contact Resistance=100mR, Insulation Resistance=1GR, Manufacturer=Omron, Max Operating Temperature=70°C, Min Operating Temperature=-40°C, Supplier Part Number 1=4446161, Voltage Rating (AC)=125V, Voltage Rating (DC)=60V, Category=Relays, Coil Type=Non-Latching, ComponentLink1Description=https://datasheet.ciiva.com/26921/getdatasheetpartid-774292-26921118.pdf?src-supplier=Verical, ComponentLink1URL=https://datasheet.ciiva.com/26921/getdatasheetpartid-774292-26921118.pdf?src-supplier=Verical, ComponentLink2Description=https://datasheet.ciiva.com/1524/15378-1524967.pdf?src-supplier=Element14, ComponentLink2URL=https://datasheet.ciiva.com/1524/15378-1524967.pdf?src-supplier=Element14, Contact Material=Gold,Silver, Current Rating=33mA, Depth=7.8mm, Height=5.2mm, Length=10mm, Manufacturer Part Number=G6K2F3DC, Mount="PCB,Surface Mount", Number of Pins=8, Number of Poles=2, Operate Time=3ms, Packaging=Rail/Tube, Power Rating=100mW, Pricing="1=4.11000, 10=3.83000, 25=3.15000, 150=2.90000, 250=2.64000 (EUR)", Radiation Hardening=No, REACH SVHC=Unknown, Release Time=1.3ms, RoHS=Yes, Stock=7, Supplier 1=Farnell, Termination="Gull Wing", Throw Configuration=DPDT, Width=10mm